# Altium PCB master.PcbDoc (part 3 of 10) (continued)
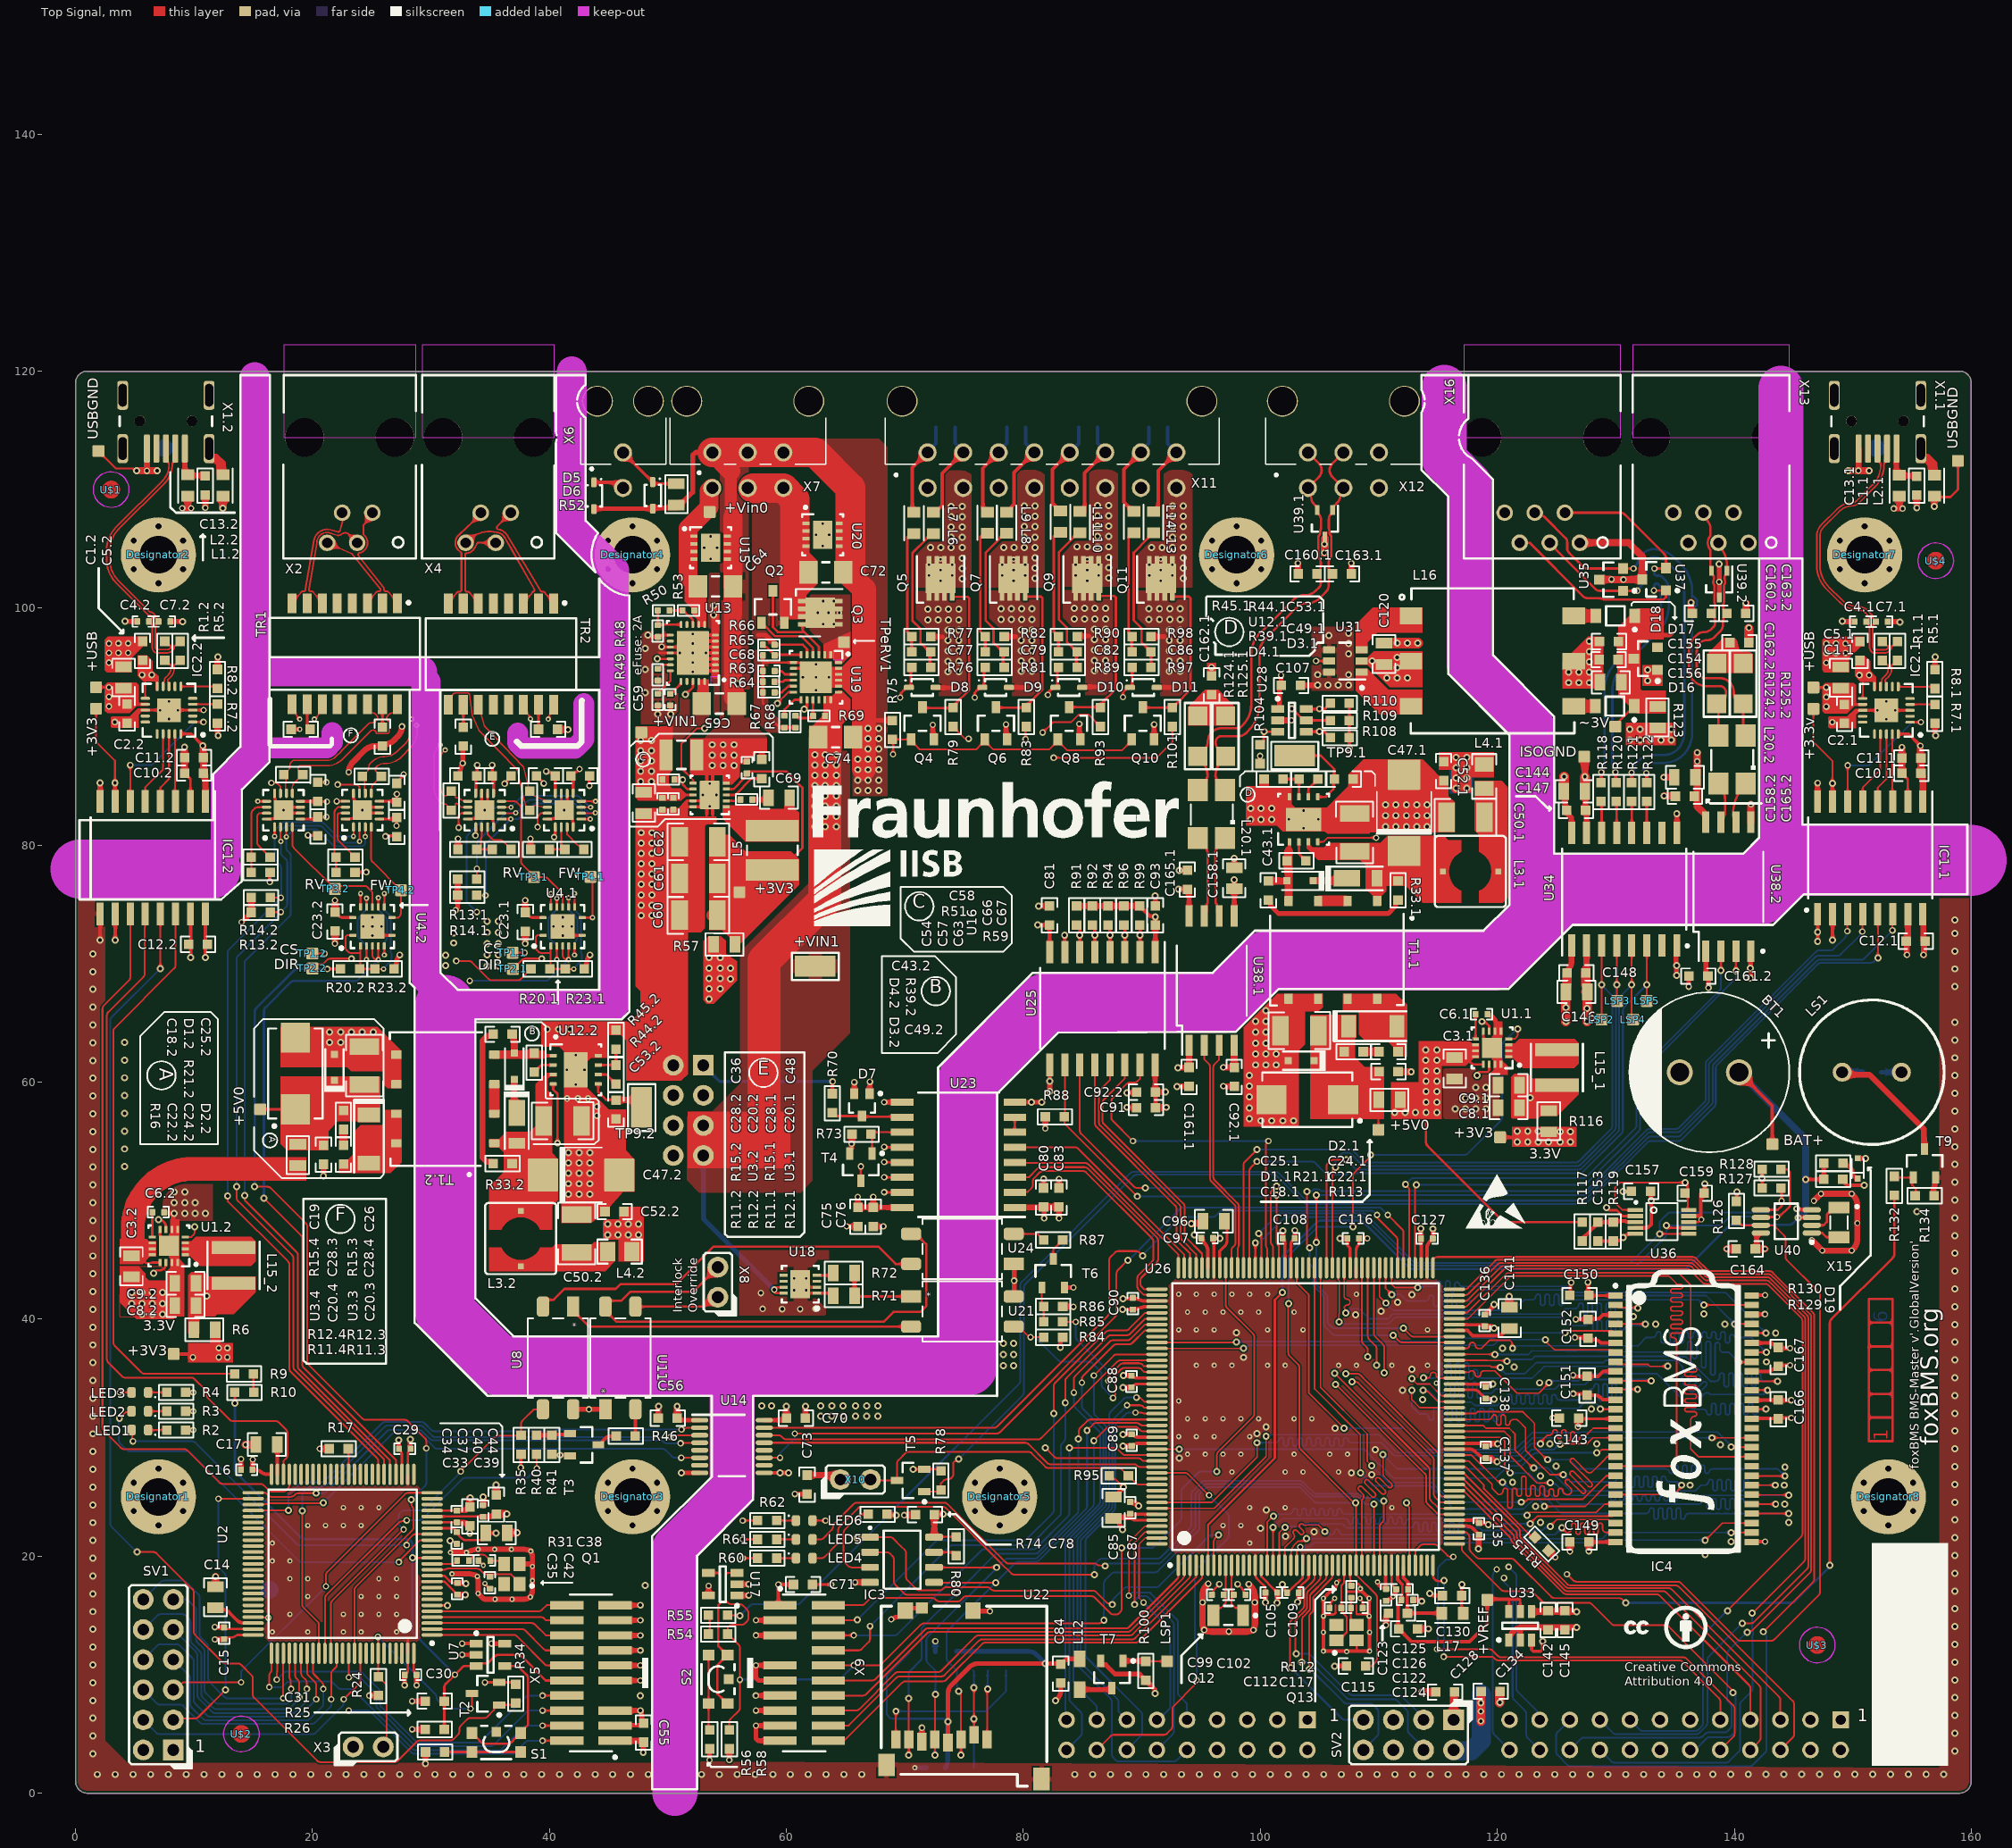
[diagram p0: Top Signal view]
## Part data (continued)
D1.1 D1.2: library part CMP-0005855-1, "Diode, Zener, 5.6 V, 200 mW, SOD-323", Manufacturer="Diodes Inc.", Power_W=200mW, Supplier Part Number 1=MMSZ5232BS-FDICT-ND, Value1=0.2W, AEC Category=Q101, AEC Qualified=?, ComponentLink1Description="Datasheet link", ComponentLink1URL=http://www.diodes.com/datasheets/ds31038.pdf, CompType=Zener, LatestRevisionDate=2017-03-09, LatestRevisionNote="Updated Supplier Data", MountType=SMT, PackageReference=SOD-323, PartNumber=MMSZ5232BS-7-F, Published=2008-10-08, Publisher="Texas Instruments", RJA_CperW=350, RoHS=Y, SizeArea_mm2=3.645, SizeAreaWB_mm2=8.695, SizeX_mm=2.7, SizeY_mm=1.35, SizeZ_mm=1, Supplier 1=Digi-Key, Supplier 2=Mouser, Supplier Part Number 2=621-MMSZ5232BS-F, U/M=EA, Vz_V=5.6V
D2.1 D2.2: library part CMP-0028855-1, "Diode, Schottky, 40 V, 3 A, AEC-Q101, SMAF", Manufacturer="Fairchild Semiconductor", PartNumber=FSV340AF, Supplier Part Number 1=FSV340AFCT-ND, Value1=3A, Value2=0.5V, AEC Category=Q101, AEC Qualified=Y, ComponentLink1Description="Datasheet link", ComponentLink1URL=https://www.fairchildsemi.com/datasheets/FS/FSV330AF.pdf, CompType=Diode, Green_EU RoHS=Incomplete, Green_EU RoHS-2=Incomplete, Green_Lifecycle="Not Set", Green_REACh=Incomplete, Io_A=3A, LatestRevisionDate=2017-05-08, MountType=SMT, PackageReference=SMAF, Published=2008-06-26, Publisher="Texas Instruments", RoHS=Y, SizeArea_mm2=11.75, SizeAreaWB_mm2=19.95, SizeX_mm=4.7, SizeY_mm=2.5, SizeZ_mm=1, Supplier 1=Digi-Key, Supplier 2=Mouser, Supplier Part Number 2=512-FSV340AF, TJmax_C=150°C, TYPE=Schottky, U/M=EA, Vf_V=5dV, Vr_V=40V
D3.1 D3.2: library part CMP-0005415-2, "Diode, Zener, 24 V, 1 W, PowerDI123", Manufacturer="Diodes Inc.", Power_W=1W, Supplier Part Number 1=DFLZ24DICT-ND, AEC Category=Q101, AEC Qualified=?, ComponentLink1Description="Datasheet link", ComponentLink1URL=http://www.diodes.com/datasheets/ds30464.pdf, CompType=Zener, LatestRevisionDate=2017-03-09, LatestRevisionNote="Updated Supplier Data", MountType=SMT, PackageReference=PowerDI123, PartNumber=DFLZ24-7, Published=2008-10-08, Publisher="Texas Instruments", RJA_CperW=110, RoHS=Y, SizeArea_mm2=6.586, SizeAreaWB_mm2=13.066, SizeX_mm=3.7, SizeY_mm=1.78, SizeZ_mm=0.98, Supplier 1=Digi-Key, Supplier 2=Mouser, Supplier 3=Farnell, Supplier Part Number 2=621-DFLZ24-7, Supplier Part Number 3=2077975, U/M=EA, Value1=1W, Vz_V=24V
D4.1 D4.2: library part CMP-0029019-1, "Diode, Ultrafast, 75 V, 0.25 A, SOD-323", Manufacturer="Central Semiconductor", PartNumber=CMDD4448, Value1=0.25A, Value2=1.2V, AEC Category=Q101, AEC Qualified=?, ComponentLink1Description="Datasheet link", ComponentLink1URL=http://www.centralsemi.com/PDFs/products/CMDD4448.PDF, CompType=Diode, Green_EU RoHS=Incomplete, Green_EU RoHS-2=Incomplete, Green_Lifecycle="Not Set", Green_REACh=Incomplete, Io_A=2.5dA, LatestRevisionDate=2017-05-08, MountType=SMT, PackageReference=SOD-323, Published=2008-06-26, Publisher="Texas Instruments", RoHS=Y, SizeArea_mm2=3.645, SizeAreaWB_mm2=8.695, SizeX_mm=2.7, SizeY_mm=1.35, SizeZ_mm=1, TJmax_C=175°C, TYPE=Ultrafast, U/M=EA, Vf_V=1.2V, Vr_V=75V
D5 D6: "Zener Diode", Breakdown Voltage=12V, Manufacturer="ON Semiconductor", PnP Package=SOD323, Supplier Part Number 1=1431191, Automotive Qualified=True, ComponentLink1Description=Datasheet, ComponentLink1URL=http://www.farnell.com/datasheets/1876691.pdf, Part Name=MM3Z12VT1G, Part Number=MM3Z12VT1G, Supplier 1=Farnell, Supplier 2=Digikey, Supplier 3=Mouser, Supplier Part Number 2=MM3Z12VT1GOSCT-ND, Supplier Part Number 3=863-MM3Z12VT1G
D7: library part CMP-2000-05929-1, "Schottky Barrier Diode, 30 V, 200 mA, -65 to 125 degC, 3-Pin SOT323, RoHS, Tape and Reel", If - Forward Current=0.2A, Ifsm - Forward Surge Current=0.6A, Ir - Reverse Current=2uAat25V, Manufacturer=DiodesIncorporated, Maximum Operating Temperature=+125C, Minimum Operating Temperature=-65C, Operating Temperature Range=-65Cto+125C, Package / Case=SOT-323, Package Description="3-Pin Small Outline Transistor, Body 2 x 1.25 mm, Pitch 0.65 mm", Package Reference=SOT323, Pd - Power Dissipation=200mW, Vf - Forward Voltage=1Vat0.1A, Vrrm - Repetitive Reverse Voltage=30V, Brand=DiodesIncorporated, Configuration=DualSeries, Datasheet URL=http://www.diodes.com/_files/datasheets/ds30065.pdf, Datasheet Version="Rev. 15-2, 03/2014", Factory Pack Quantity=3000, Height=1mm, Length=2.2mm, Manufacturer URL=http://www.diodes.com/, Mounting Style=SMD/SMT, Mounting Technology=SurfaceMount, Packaging=Reel, Product=SchottkyDiodes, Product Category=SchottkyDiodes&Rectifiers, RoHS=True, Series=BAT54, Technology=Si, Termination Style=SMD/SMT, trr - Reverse Recovery time=5ns, TYPE=SurfaceMountSchottkyBarrierDiodeArray, Unit Weight=0.000212oz, Width=1.35mm
D8 D9 D10 D11: "TVS Diode, CDSOD323 Series, Unidirectional, 5 V, 18.3 V, SOD-323, 2 Pins", Breakdown Voltage=6V, Manufacturer=Bourns, Operating Temperature="-55°C - +150°C", Supplier Part Number 1=2341914, Automotive Qualified=False, ComponentLink1Description=Datasheet, ComponentLink1URL=http://www.farnell.com/datasheets/1845299.pdf, Part Name=CDSOD323-T05, Part Number=CDSOD323-T05, Supplier 1=Farnell
D12 D13 D14 D15: "Standard Recovery Diode, 100 V, 1 A, Single, 1 V, 2 µs, 30 A", Breakdown Voltage=100V, Continuous Forward Current=1A, Manufacturer="ON Semiconductor", Operating Temperature="-65°C - +175°C", Part Name=GF1B, Supplier Part Number 1=1467477, Automotive Qualified=False, ComponentLink1Description=Datasheet, ComponentLink1URL=http://www.farnell.com/datasheets/2303965.pdf, Part Number=d_si_sma_1A, Supplier 1=Farnell
D16 D17: library part CMP-2000-04926-1, "Schottky Diode, 20V, 0.2A, 2-pin SOD-123, RoHS, Tape and Reel", Manufacturer=FairchildSemiconductor, Operating Temperature=-65to125degC, Package=2SOD-123, Package Description="2-Pin Small Outline Diode, Body 2.69 x 1.6 mm", Package Reference=SOD-123-2-425-04, Peak Average Forward Current=0.5A, Peak Forward Voltage=0.385V, Peak Non-Repetitive Surge Current=5.5A, Peak Reverse Current=250uA, Peak Reverse Repetitive Voltage=20V, Category=Rectifier, Configuration=Single, Datasheet URL=https://datasheet.ciiva.com/5739/1684450-5739282.pdf, Datasheet Version="Rev. C0, 03/2012", Manufacturer URL=https://www.fairchildsemi.com/, Mounting=SurfaceMount, Packaging=Tape&Reel, Rad Hard=No, TYPE=SchottkyDiode
D18: library part CMP-1060-00940-1, "Zener Voltage Regulator, 225 mW, 3-Pin SOT-23, Pb-Free, Tape and Reel", Manufacturer="On Semiconductor", ComponentLink1Description="Manufacturer URL", ComponentLink1URL=http://www.onsemi.com/, ComponentLink2Description=Datasheet, ComponentLink2URL=http://www.onsemi.com/pub_link/Collateral/BZX84C2V4ET1-D.PDF, ComponentLink3Description="Package Specification", ComponentLink3URL=http://www.onsemi.cn/pub_link/Collateral/318-08.PDF, DatasheetVersion="Rev. 8", Mounting Technology="Surface Mount", PackageDescription="3-Pin Small Outline Transistor, Body 2.92 x 1.3 mm, Pitch 0.95 mm", PackageReference=SOT-23-3-318-08, PackageVersion="Rev. AP, 11/2009", Packing="Tape and Reel", PartId=1, PartNumber=BZX84C5V1ET1G, RoHS=Pb-Free
D19: library part DIODE_SCHTKY, "BAT41 Schottky diode, small signal,SOD-523 package, RoHS compliant", DBDesc="do not populate, RoHS compliant", ID=908, Preffered ID=20995
Designator4 Designator6 Designator7: library part Hole_3.2_Iso
IC1.1 IC1.2 U1.1 U1.2 U16 U23 U25 U38.1 U38.2: "Imported", Manufacturer="Texas Instruments", RefDes=RefDes, TYPE=TYPE
  IC1.1 IC1.2: Part Number=ISO7741DWR, PartNumber=ISO7741DWR
  U1.1 U1.2: PartNumber=TPS62142RGTR
  U16: CompType=IC, Manufacturer_Name="Texas Instruments", Manufacturer_Part_Number=LM536013QDSXRQ1, MountType=SMT, PackageReference=DSX0010A, PartNumber=LM536013QDSXRQ1, PIN_COUNT=11, RoHS=Y
  U23 U25: PartNumber=ISO7761DWR
  U38.1 U38.2: PartNumber=ISO1042DWVR
IC2.1 IC2.2: library part CMP-0248-00001-2, "USB to Full-Handshake UART Interface Chip, UHCI/OHCI/EHCI Compatible, USB 2.0 Compatible, -40 to +85 degC, 20-Pin QFN, Pb-Free, Tape and Reel", Manufacturer=FTDI, Code_JEDEC=MO-220WGGD-1, ComponentLink1Description="Manufacturer URL", ComponentLink1URL=http://www.ftdichip.com/, ComponentLink2Description=Datasheet, ComponentLink2URL=http://www.ftdichip.com/Support/Documents/DataSheets/ICs/DS_FT231X.pdf, ComponentLink3Description="FT231X Product Page", ComponentLink3URL=www.ftdichip.com/Products/ICs/FT231X.html, DatasheetVersion="ver 1.2, Feb-2013", PackageDescription="20-Pin Quad Flat No-Lead, 4 x 4 mm Body, 0.5 mm Pitch", PackageReference=QFN-20, PackageVersion=Feb-13, PartNumber=FT231XQ-R, RevisionNote="DatasheetVersion updated to 1.2 Feb-2013"
IC3: library part M95M02-DRMN6TP, "FRAM (Ferroelectric RAM) Memory IC 2Mb (256K x 8) SPI 40MHz 8-SOP", Manufacturer="Fujitsu Electronics America, Inc.", Operating Temperature="-40°C - +85°C", PnP Package=SOIC-8, Supplier Part Number 1=865-1286-1-ND, Automotive Qualified=False, ComponentLink1Description=Datasheet, ComponentLink1URL=http://www.st.com/resource/en/datasheet/m95m02-dr.pdf, Part Name=MB85RS2MTAPNF-G-BDERE1, Part Number=MB85RS2MTAPNF-G-BDERE1, Supplier 1=Digikey
IC4: "SDRAM, 4M x 16 Bit", Manufacturer="INTEGRATED SILICON SOLUTION (ISSI)", Operating Temperature="-40 / o / C to +85 / o / -40°C - +85°C", PnP Package="TSOP II", Supplier Part Number 1=2253831, Automotive Qualified=True, ComponentLink1Description=Datasheet, ComponentLink1URL=http://www.farnell.com/datasheets/1674895.pdf, Part Name=IS42S16400J-7TLI, Part Number=IS42S16400J-7TLI, Supplier 1=Farnell
JP1 JP2: library part CMP-1023-00145-1, "Low Profile Socket Strips, Through-hole, Vertical, -55 to 105 degC, 2.54 mm Pitch, 24-Pin, Female, RoHS", Manufacturer=Samtec, Temperature Range="-55 to 105 degC", ComponentLink1Description="Manufacturer URL", ComponentLink1URL=http://www.samtec.com, ComponentLink2Description=Datasheet, ComponentLink2URL=http://www.samtec.com/documents/webfiles/pdf/SLW.PDF, ComponentLink3Description="Package Specification", ComponentLink3URL=http://www.samtec.com/documents/webfiles/cpdf/SLW-1XX-01-X-X-MKT.pdf, DatasheetVersion=F-214, Mounting Technology=Through-hole, Orientation=Vertical, PackageDescription="Low Profile Socket Strip", PackageReference=SLW-112-01-X-D, PackageVersion="X, 9/1987", Part Number=SLW-112-01-T-D, PartNumber=SLW-112-01-T-D, Pitch="2.54 mm", RoHS=True, System=Connector
L1.1 L1.2 L2.1 L2.2 L6 L7 L8 L9 L10 L11 L13 L14: library part C5133952-28DE-41F1-874F-4A9C3E40D898, "Chip Ferrite Bead for General Signal lines, 470 Ohm, 700 mA, -55 to 125 degC, 2 x 1.25 x 1.05 mm SMD, Tape and Reel", DC Resistance="0.19 Ohm Max.", Manufacturer=Murata, Operating Temperature Range="-55 to 125 degC", Rated Current="700 mA", ComponentLink1Description="Manufacturer URL", ComponentLink1URL=http://www.murata.com/, ComponentLink2Description=Datasheet, ComponentLink2URL=http://www.murata.com/products/catalog/pdf/c31e.pdf, ComponentLink3Description="Package Specification", ComponentLink3URL=http://www.murata.com/products/catalog/pdf/c31e.pdf, DatasheetVersion=08/2013, Impedance (at 100 MHz)="470 Ohm +/- 25%", Mounting Technology="Surface Mount", PackageDescription="2-Pin Chip, Body 2 x 1.25 mm", PackageReference=BLM21_H1050-2, Packing="Tape and Reel", Part Number=BLM21AG471SN1J, PartNumber=BLM21AG471SN1J
L3.1 L3.2: library part CMP-0063804-1, "Inductor, Shielded Drum Core, Ferrite, 10 uH, 1 A, 0.12 ohm, SMD", Manufacturer="Wurth Elektronik", Supplier Part Number 1=732-1025-1-ND, Value1="0.12 ohm", Value2=1A, ValueDisplayed=10uH, AEC Category=Q200, AEC Qualified=?, ComponentLink1Description="Datasheet link", ComponentLink1URL=http://www.we-online.com/eisos/pdf/744042100.pdf, CompType=Inductor, DCR_ohm=1.2d, Green_EU RoHS=Passed, Green_EU RoHS-2=Incomplete, Green_Lifecycle=Active, Green_REACh=Passed, Imax_A=1A, Ind_H=10µH, Irms="1.3A @ 30C rise", Isat="1A @ 35% inductance drop", LatestRevisionDate=2017-06-02, Material=Ferrite, MountType=SMT, PackageReference=WE-TPC-M1, PartNumber=744042100, Published=2008-06-26, Publisher="Texas Instruments", RoHS=Y, SizeArea_mm2=23.04, SizeAreaWB_mm2=33.64, SizeX_mm=4.8, SizeY_mm=4.8, SizeZ_mm=1.8, Supplier 1=Digi-Key, Supplier 2=Mouser, Supplier 3=Farnell, Supplier Part Number 2=710-744042100, Supplier Part Number 3=1635842, Technology="Shielded Drum Core"
L4.1 L4.2: library part CMP-0003072-1, "Ferrite Bead, 22 ohm @ 100 MHz, 6 A, 0805", Manufacturer="Wurth Elektronik", Supplier Part Number 1=732-4637-1-ND, Value1="0.008 ohm", Value2=6A, ValueDisplayed="22 ohm", ComponentLink1Description="Datasheet link", ComponentLink1URL=http://katalog.we-online.de/pbs/datasheet/742792021.pdf, CompType="Ferrite Bead", DCR_ohm=8m, Imax_A=6A, LatestRevisionDate=2017-03-09, MountType=SMT, PackageReference=0805, PartNumber=742792021, Published=2014-04-30, Publisher="Texas Instruments", RoHS=Y, SizeArea_mm2=2.5, SizeAreaWB_mm2=6.75, SizeX_mm=2, SizeY_mm=1.25, SizeZ_mm=1.45, Supplier 1=Digi-Key, Supplier 2=Mouser, Supplier Part Number 2=710-742792021, Ztyp@1GHz_Ohm=40.219, ZTyp@100MHz_Ohm=22
L5: "4.7uH", Manufacturer_Name=Bourns, Manufacturer_Part_Number=SDR0403-4R7ML, RefDes=RefDes, TYPE=TYPE, Vendor=Bourns
L12 L17: library part CMP-0686-00649-2, "Chip Ferrite Bead for General Signal lines, 470 Ohm, 700 mA, -55 to 125 degC, 2 x 1.25 x 1.05 mm SMD, Tape and Reel", DC Resistance="0.19 Ohm Max.", Manufacturer=Murata, Operating Temperature Range="-55 to 125 degC", Rated Current="700 mA", ComponentLink1Description="Manufacturer URL", ComponentLink1URL=http://www.murata.com/, ComponentLink2Description=Datasheet, ComponentLink2URL=http://www.murata.com/products/catalog/pdf/c31e.pdf, ComponentLink3Description="Package Specification", ComponentLink3URL=http://www.murata.com/products/catalog/pdf/c31e.pdf, DatasheetVersion=08/2013, Impedance (at 100 MHz)="470 Ohm +/- 25%", Mounting Technology="Surface Mount", PackageDescription="2-Pin Chip, Body 2 x 1.25 mm", PackageReference=BLM21_H1050-2, Packing="Tape and Reel", PartNumber=BLM21AG471SN1J
  L17: Part Number=BLM21AG471SN1J
L15_1 L15_2: "Imported", Manufacturer_Part_Number=PA4332.222NLT, RefDes=RefDes, TYPE=TYPE, Vendor="Pulse Engineering"
L16: library part 750316031, "Isolated interface power supply for CAN, RS-485, RS-422, RS-232, SPI, I2C, lower-power LAN 1:1 1A", Manufacturer_Part_Number=50225C, Built_By=EMA_UL_Team, Copyright="Copyright (C) 2018 Accelerated Designs. All rights reserved", RefDes=RefDes, TYPE=DEV, Vendor=Murata
L20.1 L20.2: "Coupled inductor, 100 µH, 0.15 A, 1.5 ohm, SMD", Manufacturer=TDK, Supplier Part Number 1=871-B82789C0104H001, ValueDisplayed=100µH, ComponentLink1Description="Datasheet URL", ComponentLink1URL=http://www.epcos.com/inf/30/db/ind_2008/b82789c0_s0.pdf, CompType="Coupled Inductor", DCR_ohm=1.5, Ind_H=100.0E-6, LatestRevisionDate=2017-02-16, MountType=SMT, PackageReference=4.5x3.0x3.2mm, PartNumber=B82789C0104H001, Published=2008-05-16, Publisher="Texas Instruments", RoHS=Y, Supplier 1=Mouser, SymbolCreator=a0412235, SymbolVersion=2013-02-26
LED1 LED4: library part gen_LED_0603_green, "LED", Breakdown Voltage=5V, Case EIA=0603, Case Metric=1608, Continuous Forward Current=20mA, Forward Voltage @ 20mA=2.2V, PnP Package=LED_0603, Supplier Part Number 1=2099223, Automotive Qualified=False, Color=green, Part Number=gen_LED_0603_green, Supplier 1=Farnell
LED2 LED5: library part gen_LED_0603_red, "LED", Breakdown Voltage=5V, Case EIA=0603, Case Metric=1608, Continuous Forward Current=20mA, Forward Voltage @ 20mA=2V, PnP Package=LED_0603, Supplier Part Number 1=2099221, Automotive Qualified=False, Color=red, Part Number=gen_LED_0603_red, Supplier 1=Farnell
LED3 LED6: library part gen_LED_0603_orange, "LED", Breakdown Voltage=5V, Case EIA=0603, Case Metric=1608, Continuous Forward Current=20mA, Forward Voltage @ 20mA=2.2V, PnP Package=LED_0603, Supplier Part Number 1=2099222, Automotive Qualified=False, Color=orange, Part Number=gen_LED_0603_orange, Supplier 1=Farnell
LS1: library part Speaker, "Loudspeaker", DBDesc="BUZZER PIEZO 4KHZ 12.2MM PC MNT, RoHS compliant", ID=17009
Q1 Q13: library part AVX-CX2520DB32000D0GEJZ1-4, "Crystal,CRYSTAL16MHZ 12PF 85degC Surface Mount 2.5 x 2.0 mm", Frequency Range="32000 kHz", Load Capacitance="8 pF", Manufacturer=Kyocera, Motional Series Resistance="50 ohm (max)", Operating Temperature="-10 to 70 degC", Supplier Part Number 1=FH4000039DKR-ND, ComponentLink1Description="Manufacturer URL", ComponentLink1URL=http://global.kyocera.com/, ComponentLink2Description=Datasheet, ComponentLink2URL=http://global.kyocera.com/prdct/electro/pdf/xtal/cx2520db_cs_e.pdf, ComponentLink3Description="Package Specification", ComponentLink3URL=http://global.kyocera.com/prdct/electro/pdf/xtal/cx2520db_cs_e.pdf, Drive Level="10uW (100uW max.)", Mounting Technology="Surface Mount", PackageDescription="4-Pin Hand Drawnï¼ŒBody 2.5x2mm", PackageReference=CX2520DB32000D0GEJZ1-4, Packing="Tape and Reel", PartNumber=CX2520DB32000D0GEJZ1, Supplier 1=Digi-Key
Q2 Q4 Q6 Q8 Q10: "MOSFET, N-CH, 50V, 0.22A, SOT-23", Alternate Manufacturer=None, Manufacturer="Fairchild Semiconductor", Supplier Part Number 1=BSS138CT-ND, Value1="6 ohm", Value2="1.7 nC", ChType=N, ComponentLink1Description="Datasheet link", ComponentLink1URL=http://www.fairchildsemi.com/ds/BS/BSS138.pdf, CompType=MOSFET, IdsMax_A=0.22, LatestRevisionDate=2013-07-10, LatestRevisionNote="Added parts.", MountType=SMT, PackageReference=SOT-23, PartNumber=BSS138, Published=2008-06-19, Publisher="Texas Instruments", QgTyp_nC=1.7, Rdson45_Ohm=6, RoHS=Y, Supplier 1=Digi-Key, Supplier 2=Mouser, Supplier 3=Farnell, Supplier Part Number 2=512-BSS138, Supplier Part Number 3=9845330, SymbolVersion=2008-07-28, U/M=EA, VdsMax_V=50, Vgs_V=20
Q3: "MOSFET, N-CH, 30V, 47A, SON 3.3x3.3mm", Alternate Manufacturer=None, Manufacturer="Texas Instruments", Supplier Part Number 1=296-27210-1-ND, Value1="0.0094 ohm", Value2="3.9 nC", ChType=N, ComponentLink1Description="Datasheet link", ComponentLink1URL=http://www.ti.com/lit/ds/symlink/csd17308q3.pdf, CompType=MOSFET, IdsMax_A=47, LatestRevisionDate=2013-07-24, LatestRevisionNote="Added parts.", MountType=SMT, PackageReference="SON 3.3x3.3mm", PartNumber=CSD17308Q3, Published=2008-06-19, Publisher="Texas Instruments", QgTyp_nC=3.9, Rdson45_Ohm=0.0094, RoHS=Y, Supplier 1=Digi-Key, Supplier 2=Mouser, Supplier 3=Farnell, Supplier Part Number 2=595-CSD17308Q3, Supplier Part Number 3=1892457, SymbolVersion=2008-07-09, U/M=EA, VdsMax_V=30, Vgs_V=10
Q5 Q7 Q9 Q11: "60V, N ch NexFET MOSFET™, single SON3x3, 9.9mOhm", Alternate Manufacturer=None, Manufacturer="Texas Instruments", Supplier Part Number 1=296-45302-1-ND, Value1="0.0081 ohm", Value2="1.7 nC", ChType=N, ComponentLink1Description="Datasheet link", ComponentLink1URL=http://www.ti.com/lit/ds/symlink/csd18543q3a.pdf, CompType=MOSFET, IdsMax_A=156, LatestRevisionDate=2013-07-24, LatestRevisionNote="Added parts.", MountType=SMT, PackageReference="SON 3.3x3.3mm", PartNumber=CSD18543Q3A, Published=2008-06-19, Publisher="Texas Instruments", QgTyp_nC=1.7, Rdson45_Ohm=0.0081, RoHS=Y, Supplier 1=Digi-Key, Supplier 2=Digi-Key, Supplier Part Number 2=296-47321-1-ND, SymbolVersion=2008-07-09, U/M=EA, VdsMax_V=60, Vgs_V=10
Q12: library part CMP-2000-05107-1, "Crystal, 32.768 KHz, 12.5 pF, -40 to 85 degC, 2-Pin SMD, RoHS, Tape and Reel", Frequency Stability=20PPM, Load Capacitance=12.5pF, Manufacturer=Epson, Operating Temperature Range=-40Cto+85C, Package / Case=3.2mmx1.5mm, Package Description="2-Pin Surface Mount Device, Body 3.2 x 1.5 mm", Package Reference=FC-135, Supplier Part Number 1=SER4071DKR-ND, =Q3805CA00002212, Brand=EpsonTiming, Datasheet URL=https://datasheet.ciiva.com/15116/getdatasheetpartid-112713-15116373.pdf, Datasheet Version=Nov-12, Drive Level=0.5uW, ESR=65kOhms, Factory Pack Quantity=250, Frequency=32.768kHz, Height=0.8mm, Length=3.2mm, Manufacturer URL=https://www.eea.epson.com/, Mounting Style=SMD/SMT, Packaging=Reel, Product Category=Crystals, RoHS=True, Series=FC-135R/FC-135/FC-255, Supplier 1=Digi-Key, Termination Style=SMD/SMT, Tolerance=20PPM, TYPE=kHzCrystal, Unit Weight=0.000564oz, Width=1.5mm
R1.1 R1.2 R5.1 R5.2: library part gen_R_27R_0603, "SMD Resistor 27R 0603", Case EIA=0603, Case Metric=1608, Maximum Working Voltage=75V, Operating Temperature="-55°C - +155°C", PnP Package=R_0603, Power=0.1W, Supplier Part Number 1=2059559, Tolerance=1%, Automotive Qualified=False, Part Number=gen_R_27R_0603, PnP Value=27R, Resistance=27R, Series=E24, Supplier 1=Farnell
R2 R3 R4 R60 R61 R62: library part gen_R_130R_0603, "SMD Resistor 130R 0603", Case EIA=0603, Case Metric=1608, Maximum Working Voltage=75V, Operating Temperature="-55°C - +155°C", PnP Package=R_0603, Power=0.1W, Supplier Part Number 1=2379959, Tolerance=1%, Automotive Qualified=False, Part Number=gen_R_130R_0603, PnP Value=130R, Resistance=130R, Series="E24, E96", Supplier 1=Farnell
R6 R116: library part gen_R_0.01R_0805, "SMD Resistor 10m 0805", Case EIA=0805, Case Metric=2012, Operating Temperature="-55°C - +155°C", PnP Package=R_0603, Part Number=gen_R_0.01R_0805, PnP Value=0.01R
R7.1 R7.2 R8.1 R8.2 R9 R26 R55 R56: library part gen_R_0R_0603, "SMD Resistor 0R 0603", Case EIA=0603, Case Metric=1608, Maximum Working Voltage=75V, Operating Temperature="-55°C - +155°C", PnP Package=R_0603, Power=0.1W, Supplier Part Number 1=2073345, Automotive Qualified=False, Part Number=gen_R_0R_0603, PnP Value=0R, Resistance=0R, Series=Jumper, Supplier 1=Farnell
R10 R54: library part gen_R_680R_0603, "SMD Resistor 680R 0603", Case EIA=0603, Case Metric=1608, Maximum Working Voltage=75V, Operating Temperature="-55°C - +155°C", PnP Package=R_0603, Power=0.1W, Supplier Part Number 1=2797303, Tolerance=1%, Automotive Qualified=False, Part Number=gen_R_680R_0603, PnP Value=680R, Resistance=680R, Series=E24, Supplier 1=Farnell
R11.1 R11.2 R11.3 R11.4: library part gen_R_1k2_0603, "SMD Resistor 1k2 0603", Case EIA=0603, Case Metric=1608, Maximum Working Voltage=75V, Operating Temperature="-55°C - +155°C", PnP Package=R_0603, Power=0.1W, Supplier Part Number 1=2073370, Tolerance=1%, Automotive Qualified=True, Part Number=gen_R_1k2_0603, PnP Value=1k2, Resistance=1k2, Series=E24, Supplier 1=Farnell
R12.1 R12.2 R12.3 R12.4: library part gen_R_806R_0603, "SMD Resistor 806R 0603", Case EIA=0603, Case Metric=1608, Maximum Working Voltage=75V, Operating Temperature="-55°C - +155°C", PnP Package=R_0603, Power=0.1W, Supplier Part Number 1=2059324, Tolerance=1%, Automotive Qualified=True, Part Number=gen_R_806R_0603, PnP Value=806R, Resistance=806R, Series=E96, Supplier 1=Farnell
R13.1 R13.2 R14.1 R14.2: library part gen_R_2k_0603, "SMD Resistor 2k 0603", Case EIA=0603, Case Metric=1608, Maximum Working Voltage=75V, Operating Temperature="-55°C - +155°C", PnP Package=R_0603, Power=0.1W, Supplier Part Number 1=2059343, Tolerance=1%, Automotive Qualified=True, Part Number=gen_R_2k_0603, PnP Value=2k, Resistance=2k, Series="E24, E96", Supplier 1=Farnell
R15.1 R15.2 R15.3 R15.4: library part gen_R_120R_0603, "SMD Resistor 120R 0603", Case EIA=0603, Case Metric=1608, Maximum Working Voltage=75V, Operating Temperature="-55°C - +155°C", PnP Package=R_0603, Power=0.1W, Supplier Part Number 1=1652832, Tolerance=1%, Automotive Qualified=True, Part Number=gen_R_120R_0603, PnP Value=120R, Resistance=120R, Series=E24, Supplier 1=Farnell
R16 R57 R113 R123: library part gen_R_0.01R_0805, "SMD Resistor 10m 0805", Case EIA=0805, Case Metric=2012, Operating Temperature="-55°C - +155°C", PnP Package=R_0603, PnP Value=0.01R, Part Number=gen_R_0.01R_0805
R17 R24 R34 R35 R41 R70 R73 R74 R75 R78 R79 R80 R83 R84 R86 R92 R93 R94 R95 R96 R99 R101 R115 R134 R138 R139 R140 R141 R142 R143: library part gen_R_10k_0603, "SMD Resistor 10k 0603", Case EIA=0603, Case Metric=1608, Maximum Working Voltage=75V, Operating Temperature="-55°C - +155°C", PnP Package=R_0603, Power=0.1W, Supplier Part Number 1=2073349, Tolerance=1%, Part Number=gen_R_10k_0603, PnP Value=10k, Resistance=10k, Series="E24, E96", Supplier 1=Farnell
  R17 R24 R34 R35 R41 R70 R73 R74 R75 R78 R79 R80 R83 R84 R86 R92 R93 R94 R95 R96 R99 R101 R115 R134: Automotive Qualified=False
R20.1 R20.2: library part gen_R_0R_0603, "SMD Resistor 0R 0603", Case EIA=0603, Case Metric=1608, Maximum Working Voltage=75V, Operating Temperature="-55°C - +155°C", PnP Package=R_0603, Power=0.1W, Supplier Part Number 1=2616580, Automotive Qualified=True, Part Number=gen_R_0R_0603, PnP Value=0R, Resistance=0R, Series=Jumper, Supplier 1=Farnell
R21.1 R21.2 R33.1 R33.2: library part CMP-0021991-3, "RES, 100, 1%, 0.1 W, 0603", Manufacturer=Vishay-Dale, Power_W=100mW, Supplier Part Number 1=541-100HCT-ND, TempCo="100 ppm/C", Tolerance_%=1%, Value2=0.1W, Value_Code=100R, ValueDisplayed=100, AEC Category=Q200, AEC Qualified=?, ComponentLink1Description="Datasheet link", ComponentLink1URL=http://www.vishay.com/docs/20035/dcrcwe3.pdf, CompType=Resistor, EIA_Code=E96, LatestRevisionDate=2017-03-09, MountType=SMT, PackageReference=0603, PartNumber=CRCW0603100RFKEA, Published=2008-06-26, Publisher="Texas Instruments", Res_ohm=100, RoHS=Y, SizeArea_mm2=1.28, SizeX_mm=1.6, SizeY_mm=0.8, SizeZ_mm=1, Supplier 1=Digi-Key, Supplier 2=Newark, Supplier 3=Mouser, Supplier Part Number 2=52K8078, Supplier Part Number 3=71-CRCW0603-100-E3, Technology="Thick Film", U/M=EA, Value1=1%, VDC_V=75V
R23.1 R23.2: library part gen_R_20k_0603, "SMD Resistor 20k 0603", Case EIA=0603, Case Metric=1608, Maximum Working Voltage=75V, Operating Temperature="-55°C - +155°C", PnP Package=R_0603, Power=0.1W, Supplier Part Number 1=2059432, Tolerance=1%, Automotive Qualified=True, Part Number=gen_R_20k_0603, PnP Value=20k, Resistance=20k, Series="E24, E96", Supplier 1=Farnell
R25 R58 R104 R109 R110 R117 R119 R126: library part gen_R_100k_0603, "SMD Resistor 100k 0603", Case EIA=0603, Case Metric=1608, Operating Temperature="-55°C - +155°C", PnP Package=R_0603, Automotive Qualified=False, Part Number=gen_R_100k_0603, PnP Value=100k
R31 R48 R64 R112: library part gen_R_0R_0402, "SMD Resistor 0R 0402", Case EIA=0402, Case Metric=1005, Operating Temperature="-55°C - +155°C", PnP Package=R_0402, Automotive Qualified=False, Part Number=gen_R_0R_0402, PnP Value=0R
R39.1 R39.2: library part CMP-0022064-4, "RES, 158 k, 1%, 0.1 W, AEC-Q200 Grade 0, 0603", Manufacturer=Vishay-Dale, Power_W=100mW, Supplier Part Number 1=541-158KHCT-ND, TempCo="100 ppm/C", Tolerance_%=1%, Value2=0.1W, Value_Code=158k, AEC Category=Q200, AEC Grade=0, AEC Qualified=Y, ComponentLink1Description="Datasheet link", ComponentLink1URL=http://www.vishay.com/docs/20035/dcrcwe3.pdf, CompType=Resistor, EIA_Code=E96, MountType=SMT, PackageReference=0603, PartNumber=CRCW0603158KFKEA, Res_ohm=158k, RoHS=E, SizeArea_mm2=1.28, SizeX_mm=1.6, SizeY_mm=0.8, SizeZ_mm=1, Supplier 1=Digi-Key, Supplier 2=Newark, Supplier 3=Mouser, Supplier Part Number 2=52K8164, Supplier Part Number 3=71-CRCW0603-158K-E3, Technology="Thick Film", Value1=1%, ValueDisplayed=158k, VDC_V=75V